# Allegro board PCIE_FIBER_BOARD-1116.brd (continued)
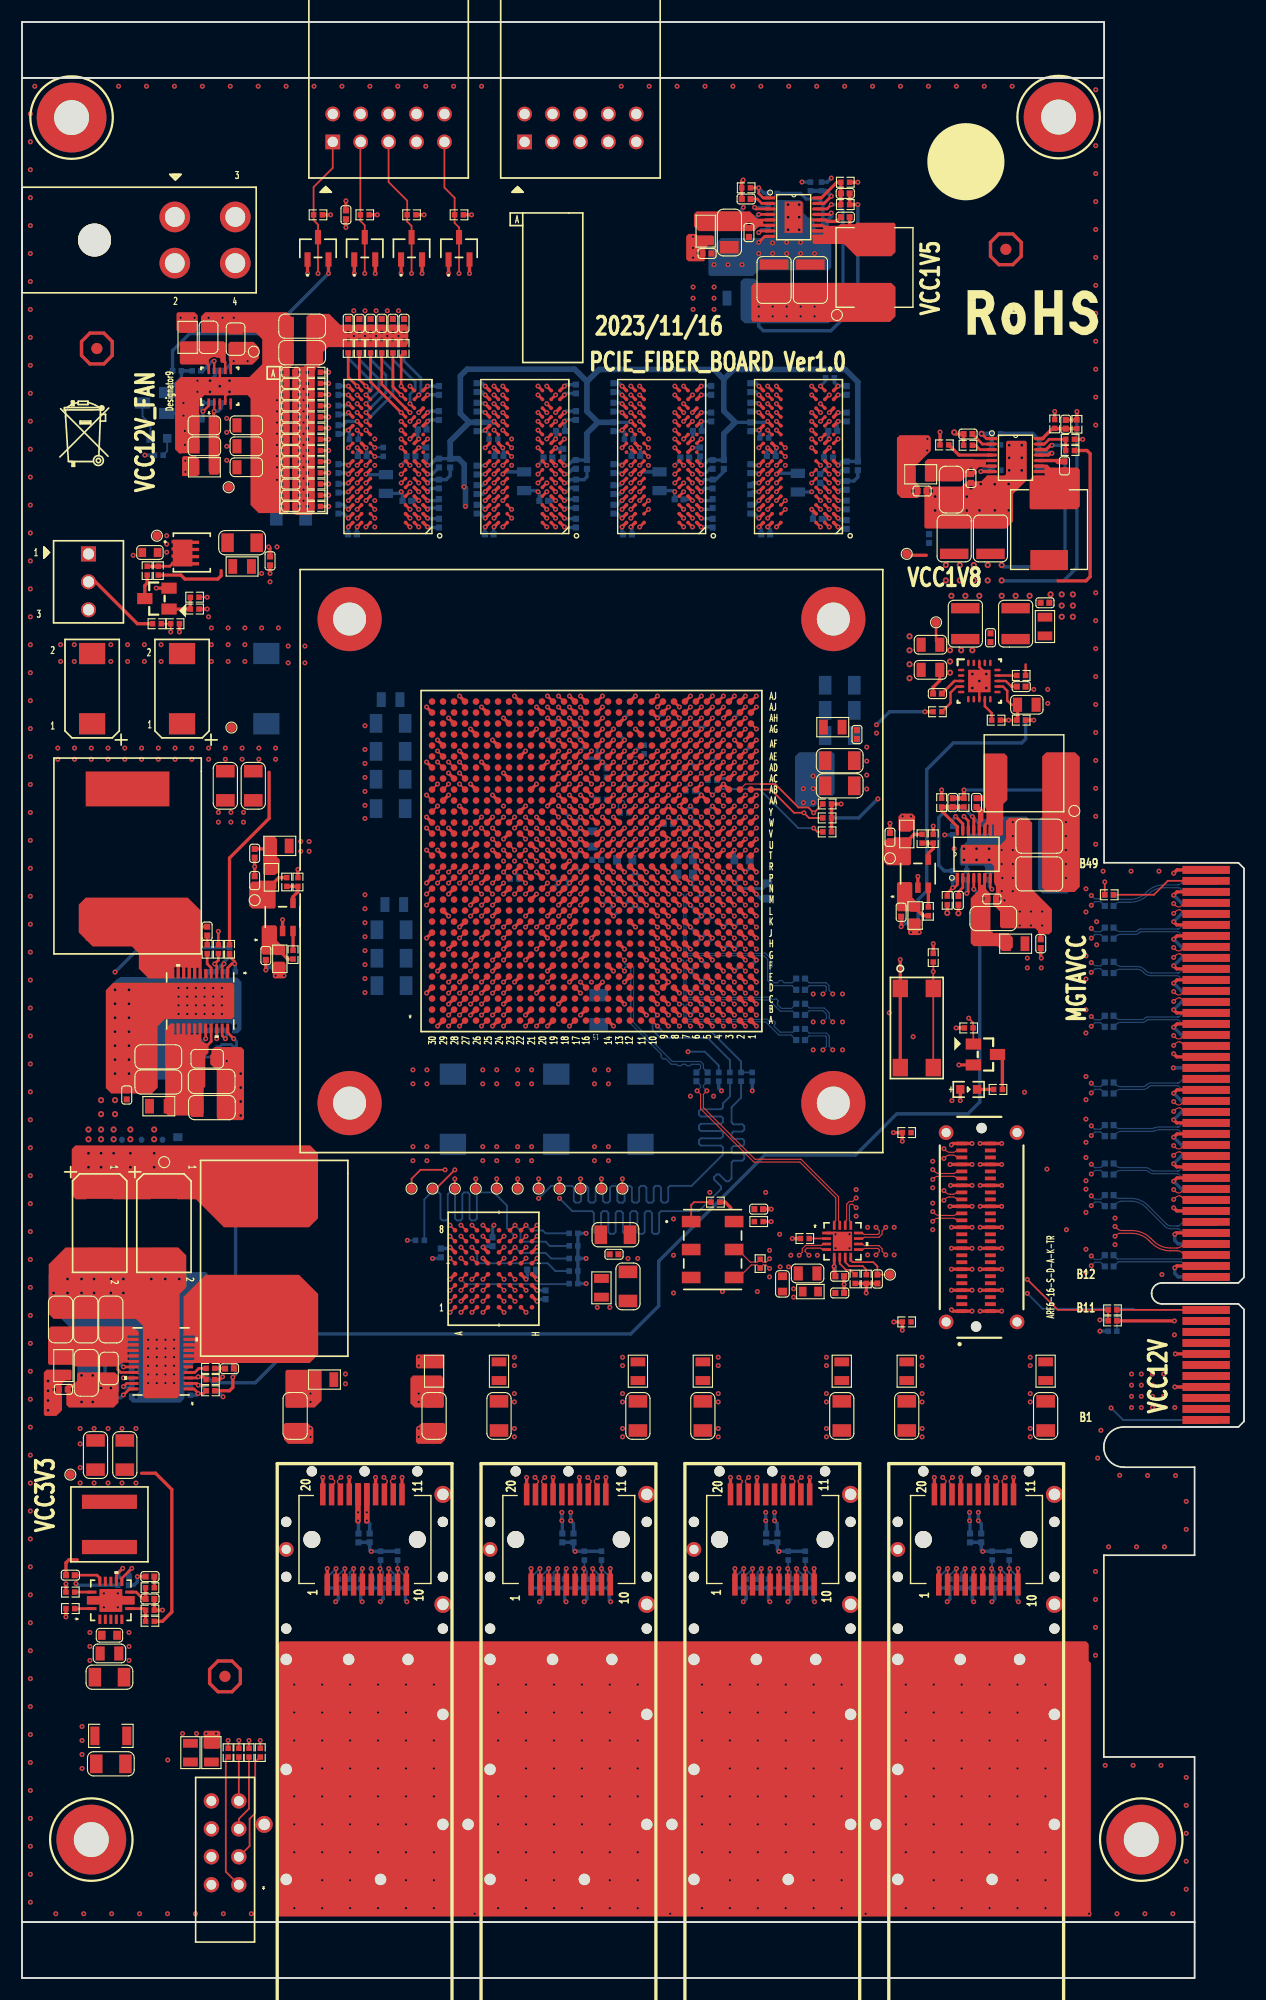
[diagram p0: board, top side]
## Placement (name value [footprint] x y rotation side) (continued)
C619  47nF  [C0402]  41.36 144.56 90 bottom
C620  47nF  [C0402]  43.39 138.34 180 bottom
C621  47nF  [C0402]  48.98 140.63 0 bottom
C622  47nF  [C0402]  50.37 132.25 90 bottom
C623  47nF  [C0402]  41.36 141.01 270 bottom
C624  0.1UF  [C0402]  24.45 142.91 180 bottom
C625  0.1UF  [C0402]  24.45 143.93 180 bottom
C626  0.1UF  [C0402]  24.46 144.95 180 bottom
C627  47UF  [C1206]  25.48 147.74 180 top
C628  4.7UF  [C0402]  24.45 140.88 180 top
C629  4.7UF  [C0402]  24.45 139.86 180 top
C630  0.1UF  [C0402]  24.46 144.95 180 top
C631  0.1UF  [C0402]  24.44 134.8 180 bottom
C632  0.1UF  [C0402]  24.45 142.91 180 top
C633  0.1UF  [C0402]  24.45 141.9 180 top
C636  100UF  [C1206]  33.61 92.7 180 bottom
C638  100UF  [C1206]  33.61 95.29 180 bottom
C639  100UF  [C1206]  33.53 111.5 180 bottom
C640  4.7UF  [C0805]  19.43 148.97 90 top
C991  0.01UF  [C0402]  70.82 90.84 180 bottom
C992  0.01UF  [C0402]  70.82 89.83 180 bottom
C1153  22UF  [C1206]  12.4 83.73 180 top
C1154  22UF  [C1206]  12.4 81.45 180 top
C1155  22UF  [C1206]  17.27 79.12 0 top
C1156  22UF  [C1206]  17.25 81.5 0 top
C1157  4.7UF  [C0805]  16.84 83.56 0 top
C1158  1UF  [C0603]  15.83 85.89 90 bottom
C1159  0.1UF  [C0402]  16.84 95.16 270 top
C1172  47UF  [C1210]  88.09 130.86 90 top
C1173  47UF  [C1210]  88.1 130.85 90 bottom
C1174  47UF  [C1210]  84.79 130.85 90 bottom
C1175  1UF  [C0603]  92.54 137.95 270 bottom
C1176  0.01UF  [C0402]  86.04 140.34 180 top
C1177  0.1UF  [C0402]  86.31 136.31 90 top
C1178  22UF  [C1206]  84.54 135.29 270 top
C1179  0.1UF  [C0402]  94.82 137.45 90 top
C1180  4.7PF  [C0402]  94.93 141.23 90 top
C1182  0.1UF  [C0402]  9.53 80.26 270 top
C1183  0.1UF  [C0402]  81.87 135.17 180 top
C1184  0.1UF  [C0402]  82.5 130.85 90 bottom
C1185  0.1UF  [C0402]  75.95 113.03 270 top
C1186  0.1UF  [C0402]  65.99 154.6 90 bottom
C1187  0.1UF  [C0402]  62.31 156.76 180 top
C1188  0.1UF  [C0402]  66.12 158.66 90 top
C1189  1UF  [C0603]  72.34 159.55 180 bottom
C1190  0.01UF  [C0402]  65.87 161.71 180 top
C1191  0.1UF  [C0402]  74.88 160.06 180 top
C1192  4.7PF  [C0402]  74.88 162.22 0 top
C1193  47UF  [C1210]  68.4 154.35 90 top
C1194  47UF  [C1210]  71.71 154.35 90 top
C1195  47UF  [C1210]  68.41 154.34 90 bottom
C1196  47UF  [C1210]  71.84 154.34 90 bottom
C1197  22UF  [C1206]  64.34 158.66 270 top
C1208  0.1UF  [C0402]  18.87 55.39 180 top
C1211  0.1UF  [C0402]  3.76 53.51 180 top
C1212  22UF  [C1206]  5.8 59.86 90 top
C1213  22UF  [C1206]  5.85 55 270 top
C1214  22UF  [C1206]  3.51 59.86 90 top
C1215  22UF  [C1206]  8.08 59.86 90 top
C1216  4.7UF  [C0805]  7.91 55.41 270 top
C1217  1UF  [C0603]  9.73 56.43 0 bottom
C1218  0.1UF  [C0402]  92.66 94.02 270 top
C1219  0.1UF  [C0402]  88.22 98.08 180 top
C1220  1UF  [C0603]  87.33 104.31 270 bottom
C1221  0.01UF  [C0402]  85.17 97.96 270 top
C1222  0.1UF  [C0402]  86.82 106.85 270 top
C1223  4.7PF  [C0402]  84.66 106.85 90 top
C1224  47UF  [C1210]  92.54 100.37 180 bottom
C1225  47UF  [C1210]  92.54 103.8 180 bottom
C1226  47UF  [C1210]  92.53 100.37 180 top
C1227  47UF  [C1210]  92.53 103.79 180 top
C1228  22UF  [C1206]  88.35 96.3 0 top
C1229  0.1UF  [C0402]  90.89 117.39 180 top
C1230  0.1UF  [C0402]  93.04 125.01 0 top
C1231  0.1UF  [C0402]  88.09 121.83 270 top
C1232  47UF  [C1210]  90.37 123.11 90 top
C1233  47UF  [C1210]  85.8 123.11 90 top
C1234  10UF  [C0805]  82.63 118.91 180 top
C1235  0.1UF  [C0402]  83.27 116.75 180 top
C1237  10UF  [C0805]  82.63 121.2 180 top
C1238  10UF  [C0805]  91.39 115.74 0 top
C2256  0.1UF  [C0402]  90.89 114.34 180 bottom
C2257  1UF  [C0603]  14.18 75.73 90 bottom
C2258  1UF  [C0603]  60.32 100.33 180 bottom
C2259  0.47UF  [C0402_BGA]  61.8 95.04 0 bottom
C2260  0.47UF  [C0402_BGA]  9.1 75.73 90 bottom
C2261  0.47UF  [C0402_BGA]  61.8 91.03 0 bottom
C2262  0.47UF  [C0402_BGA]  10.87 75.73 90 bottom
C2263  47nF  [C0402_BGA]  61.8 92.03 0 bottom
C2264  47nF  [C0402_BGA]  61.8 97.03 0 bottom
C2265  47nF  [C0402_BGA]  61.8 90.03 0 bottom
C2266  47nF  [C0402_BGA]  61.8 99.03 0 bottom
C2267  1UF  [C0603]  60.32 101.64 180 bottom
C2268  0.47UF  [C0402_BGA]  61.3 103.53 90 bottom
C2269  47nF  [C0402_BGA]  60.33 105.52 90 bottom
C2270  1UF  [C0603]  67.82 98.81 270 bottom
C2271  1UF  [C0603]  65.49 101.64 0 bottom
C2272  0.47UF  [C0402_BGA]  62.3 105.53 90 bottom
C2273  0.47UF  [C0402_BGA]  61.8 94.03 180 bottom
C2274  0.47UF  [C0402_BGA]  64.8 96.03 180 bottom
C2275  0.47UF  [C0402_BGA]  61.81 96.05 180 bottom
C2276  47nF  [C0402_BGA]  61.3 105.53 90 bottom
C2277  47nF  [C0402_BGA]  65.84 92.07 0 bottom
C2278  47nF  [C0402_BGA]  64.8 100.03 180 bottom
C2279  47nF  [C0402_BGA]  61.8 98.03 180 bottom
C2434  47UF  [C1210]  84.79 130.85 90 top
C2435  0.01UF  [C0402]  70.82 86.27 180 bottom
C2436  0.01UF  [C0402]  70.82 85.26 180 bottom
C2437  0.01UF  [C0402]  70.82 88.56 180 bottom
C2438  0.01UF  [C0402]  70.82 87.54 180 bottom
C2439  0.1UF  [C0402]  62.36 81.91 270 bottom
C2440  0.1UF  [C0402]  61.34 81.91 270 bottom
C2441  0.1UF  [C0402]  46.35 64.39 0 bottom
C2442  0.1UF  [C0402]  47.62 62.1 270 bottom
C2443  0.1UF  [C0402]  38.1 65.91 270 bottom
C2444  0.1UF  [C0402]  42.8 66.93 90 bottom
C2445  47UF  [C1206]  55.12 62.86 90 top
C2446  0.1UF  [C0402]  53.85 65.79 0 top
C2447  47UF  [C1206]  53.98 67.56 0 top
C2448  22UF  [C1206]  93.1 51.09 270 top
C2449  0.1UF  [C0402]  87.25 40 270 bottom
C2450  22UF  [C1206]  80.47 51.09 270 top
C2451  0.1UF  [C0402]  86.23 40 270 bottom
C2452  22UF  [C1206]  37.48 51.09 270 top
C2453  0.1UF  [C0402]  31.62 40 270 bottom
C2454  22UF  [C1206]  24.85 51.09 270 top
C2455  0.1UF  [C0402]  30.61 40 270 bottom
C2456  22UF  [C1206]  56.02 51.09 270 top
C2457  0.1UF  [C0402]  50.16 40 270 bottom
C2458  22UF  [C1206]  43.39 51.09 270 top
C2459  0.1UF  [C0402]  49.15 40 270 bottom
C2460  22UF  [C1206]  74.56 51.09 270 top
C2461  0.1UF  [C0402]  68.71 40 270 bottom
C2462  22UF  [C1206]  61.93 51.09 270 top
C2463  0.1UF  [C0402]  67.69 40 270 bottom
C2464  0.22UF  [C0402]  98.89 64.68 0 bottom
C2465  0.22UF  [C0402]  98.89 65.7 0 bottom
C2466  0.22UF  [C0402]  98.89 70.16 0 bottom
C2467  0.22UF  [C0402]  98.89 71.16 0 bottom
C2468  0.22UF  [C0402]  98.89 73.03 0 bottom
C2469  0.22UF  [C0402]  98.89 74.03 0 bottom
C2470  0.22UF  [C0402]  98.89 76.53 0 bottom
C2471  0.22UF  [C0402]  98.89 77.53 0 bottom
C2472  0.22UF  [C0402]  98.89 80.4 0 bottom
C2473  0.22UF  [C0402]  98.89 81.4 0 bottom
C2474  0.22UF  [C0402]  98.89 86.46 0 bottom
C2475  0.22UF  [C0402]  98.89 87.46 0 bottom
C2476  0.22UF  [C0402]  98.89 91.35 0 bottom
C2477  0.22UF  [C0402]  98.89 92.37 0 bottom
C2478  0.22UF  [C0402]  98.89 94.48 0 bottom
C2479  0.22UF  [C0402]  98.89 95.48 0 bottom
C2480  0.22UF  [C0402]  98.89 97.45 0 bottom
C2481  0.22UF  [C0402]  98.89 98.46 0 bottom
C2482  0.1UF  [C0402]  67.01 69.89 180 top
C2483  1UF  [C0603]  69.17 63.1 90 top
C2484  10UF  [C0805]  71.45 64.05 180 top
C2485  0.1UF  [C0402]  74.38 63.79 180 top
C2486  0.1UF  [C0402]  74.38 63.79 180 bottom
C2487  0.1UF  [C0402]  74.38 62.27 180 top
C2488  0.1UF  [C0402]  77.8 63.54 90 top
C2489  0.1UF  [C0402]  22.56 128.82 270 top
C2490  10UF  [C1206]  20.02 130.47 0 top
C2491  1UF  [C0603]  11.64 129.58 180 top
C2492  0.1UF  [C0402]  21.16 102.23 270 top
C2493  0.1UF  [C0402]  4.4 36.61 180 top
C2494  22UF  [C1206]  7.95 27.34 180 top
C2495  4.7UF  [C0805]  7.95 29.5 180 top
C2496  1UF  [C0603]  7.96 31.15 180 top
C2497  47UF  [C1206]  9.35 47.54 90 top
C2498  47UF  [C1206]  6.68 47.54 90 top
C2499  0.01UF  [C0402]  9.73 36.11 270 bottom
C2500  8.2nF  [C0402]  11.64 36.49 0 top
C2501  0.01UF  [C0402]  11.64 34.46 0 top
C2502  0.1UF  [C0402]  23.32 91.88 0 bottom
C2503  4.7UF  [C0402]  22.18 92.94 270 top
C2504  4.7UF  [C0402]  21.16 99.75 90 top
C2505  0.1UF  [C0402]  81.11 95.92 0 bottom
C2506  4.7UF  [C0402]  79.96 96.88 270 top
C2507  4.7UF  [C0402]  78.95 103.69 90 top
C2508  1000pF_DNP  [C1206]  8.08 19.47 0 top
CC1  330UF  [C2917X]  14.56 117.2 180 bottom
CC2  330UF  [C2917X]  6.38 117.2 0 top
CC3  330UF  [C2917X]  14.56 117.2 0 top
CC4  330UF  [C2917X]  56.26 78.97 0 bottom
CC5  330UF  [C2917X]  6.38 117.2 180 bottom
CC6  330UF  [C2917X]  39.2 78.97 0 bottom
CC7  330UF  [C2917X]  22.23 117.2 180 bottom
CC8  330UF  [C2917X]  48.59 78.97 0 bottom
CC13  330UF  [C2917X]  7.07 68.62 180 top
CC14  330UF  [C2917X]  12.91 68.62 180 top
D1  -  [H485CGDL]  19.72 8.48 180 top
D2  BAT54SLT1G  [SOT-23]  39.75 157.23 0 top
D3  BAT54SLT1G  [SOT-23]  35.43 157.23 0 top
D4  BAT54SLT1G  [SOT-23]  31.18 157.23 0 top
D5  BAT54SLT1G  [SOT-23]  26.92 157.23 0 top
DS10  SML-LX0603GW-TR  [LED_0603]  86.11 80.77 0 top
DS18  SML-LX0603GW-TR  [LED_0603]  12.45 139.95 180 bottom
J1  JTAG  [SBH11-PBPC-D05-ST-BK]  33.35 168.17 0 top
J2  FPGA_3V3_GPIO  [SBH11-PBPC-D05-ST-BK]  50.79 168.17 0 top
J3  ARF6-16-S-D-A-K-TR  [SAMTEC_ARF6-16-S-D-A-K-TR]  86.78 68.24 90 top
J4  -  [0039301040]  10.4 157.98 270 top
J5  -  [0022112032]  6.05 126.91 270 top
L3  BLM18SG121TN1D  [L0603]  54.82 101.64 180 bottom
L5  BLM18SG121TN1D  [L0603]  51.9 103.54 90 bottom
L34  BLM21SN300SN1D  [L0805]  73.74 113.7 0 top
L85  0.44UH  [PA0513_441NLT]  9.61 101.89 270 top
L86  IHLP2525CZER2R2M01  [IHLP_2525CZ_01]  93.43 131.66 270 top
L89  BLM21SN300SN1D  [L0805]  12.45 79.25 0 top
L90  BLM21SN300SN1D  [L0805]  81.74 136.69 0 top
L91  BLM21SN300SN1D  [L0805]  33.53 116.2 0 bottom
L92  BLM21SN300SN1D  [L0805]  64.98 152.69 180 bottom
L93  BLM21SN300SN1D  [L0805]  62.18 158.79 90 top
L94  IHLP2525CZER2R2M01  [IHLP_2525CZ_01]  77.55 155.49 270 top
L95  BLM21SN300SN1D  [L0805]  16.59 137.33 0 top
L96  BLM21SN300SN1D  [L0805]  15.07 149.14 90 top
L99  0.44UH  [PA0513_441NLT]  22.94 65.32 270 top
L100  BLM21SN300SN1D  [L0805]  3.76 55.66 90 top
L101  BLM21SN300SN1D  [L0805]  90.38 94.02 180 top
L102  IHLP2525CZER2R2M01  [IHLP_2525CZ_01]  91.14 109.51 0 top
L103  BLM21SN300SN1D  [L0805]  93.04 122.85 270 top
L233  BLM21SN300SN1D  [L0805]  33.86 97.57 0 bottom
L234  BLM21SN300SN1D  [L0805]  52.7 62.74 90 top
L235  BLM21SN300SN1D  [L0805]  93.1 55.16 270 top
L236  BLM21SN300SN1D  [L0805]  80.47 55.16 270 top
L237  BLM21SN300SN1D  [L0805]  37.48 55.16 270 top
L238  BLM21SN300SN1D  [L0805]  27.51 54.39 180 top
L239  BLM21SN300SN1D  [L0805]  56.02 55.16 270 top
L240  BLM21SN300SN1D  [L0805]  43.39 55.16 270 top
L241  BLM21SN300SN1D  [L0805]  74.56 55.16 270 top
L242  BLM21SN300SN1D  [L0805]  61.93 55.16 270 top
L243  BLM15PD121SN1D  [L0402]  67.01 68.76 0 top
L244  BLM18SG121TN1D  [L0603]  71.71 62.4 0 top
L245  BLM21SN300SN1D  [L0805]  20.02 128.31 180 top
L246  BLM21SN300SN1D  [L0805]  15.32 20.49 90 top
L247  BLM21SN300SN1D_DNP  [L0805]  17.23 20.49 90 top
L248  BLM21SN300SN1D  [L0805]  23.45 102.91 0 top
L249  XAL6030-332MEC  [XAL6030]  7.95 41.23 90 top
L250  BLM18SG121TN1D  [L0603]  23.45 92.64 90 top
L251  BLM18SG121TN1D  [L0603]  22.69 100.05 90 top
L252  BLM18SG121TN1D  [L0603]  81.23 96.58 90 top
L253  BLM18SG121TN1D  [L0603]  80.47 103.99 90 top
MH1  MH_125_250  [MH_250H125]  6.3 12.58 0 top
MH2  MH_125_250  [MH_250H125]  94.29 169.16 90 top
MH3  MH_125_250  [MH_250H125]  4.51 169.11 180 top
MH4  MH_125_250  [MH_250H125]  101.8 12.58 270 top
NOREF  -  []  0 0 0 top
NOREF#2  -  []  91.73 151.33 0 top
NOREF#3  -  []  0 177.8 0 top
NOREF#4  -  [unnamed#2]  89.49 157.14 0 top
NOREF#5  -  []  0 0 0 top
NOREF#6  -  []  86.36 165.33 0 top
NOREF#7  -  []  0 5.08 90 top
NOREF#8  -  []  0 0 90 top
NOREF#9  -  []  5.67 140.49 0 top
NOREF#10  -  [unnamed#2]  6.81 148.12 0 top
NOREF#11  -  []  -130.32 -115.63 0 top
NOREF#12  -  [unnamed#2]  18.46 27.42 0 top
NOREF#13  -  [unnamed#2]  6.81 148.12 180 bottom
NOREF#14  -  [unnamed#2]  18.46 27.42 180 bottom
NOREF#15  -  [unnamed#2]  89.49 157.14 180 bottom
P1  -  [0744410010_0747370010]  88.24 8.96 90 top
P2  -  [0744410010_0747370010]  32.61 8.96 90 top
P3  -  [0744410010_0747370010]  51.16 8.96 90 top
P4  -  [0744410010_0747370010]  69.7 8.96 90 top
Q10  -  [NDS331N]  12.06 143.17 270 bottom
Q15  -  [NDS331N]  87.63 83.95 270 top
Q16  CSD25402Q3A  [CSD25402]  15.45 129.58 0 top
Q17  -  [NDS331N]  12.27 125.39 90 top
R4  4.7K  [R0402]  66.42 81.91 90 bottom
R8  4.7K  [R0402]  73.49 145.45 0 bottom
R41  4.7K  [R0402]  82.88 92.75 90 top
R42  4.7K  [R0402]  63.37 81.91 90 bottom
R87  249  [R0402]  12.45 138.43 0 bottom
R159  80.6  [R0402]  53.17 109.54 90 bottom
R160  80.6  [R0402]  52.79 107.13 0 bottom
R161  80.6  [R0402]  56.6 111.67 90 bottom
R162  80.6  [R0402]  54.79 105.91 180 bottom
R163  80.6  [R0402]  62.8 108.88 180 bottom
R164  80.6  [R0402]  60.79 107.91 0 bottom
R165  100  [R0402]  58.8 104.89 180 bottom
R219  10K  [R0402]  15.96 141.64 180 bottom
R220  10K  [R0402]  14.1 146.09 0 bottom
R221  10K  [R0402]  17.73 143.17 180 bottom
R337  1K  [R0402]  73.23 104.18 180 top
R338  1K_DNP  [R0402]  73.23 106.72 180 top
R339  1K  [R0402]  73.23 105.45 180 top
R340  1K_DNP  [R0402]  73.23 105.45 0 bottom
R341  1K  [R0402]  73.23 106.72 0 bottom
R342  1K_DNP  [R0402]  73.23 104.18 0 bottom
R395  330  [R0402]  86.11 86.36 0 top
R396  330  [R0402]  88.77 80.77 180 top
R455  10K  [R0402]  31.18 160.27 180 top
R456  10K  [R0402]  26.92 160.27 180 top
R458  240  [R0402]  55.2 139.87 180 bottom
R459  0  [R0402]  15.88 146.09 180 bottom
R460  40.2  [R0402]  31.7 148.12 270 top
R461  40.2  [R0402]  30.69 148.12 270 bottom
R462  40.2  [R0402]  32.72 148.12 270 top
R463  40.2  [R0402]  26.75 140.88 0 top
R464  40.2  [R0402]  26.75 144.95 0 top
R465  40.2  [R0402]  33.74 148.12 270 bottom
R466  40.2  [R0402]  26.75 145.96 0 top
R467  40.2  [R0402]  34.75 148.12 270 bottom
R468  40.2  [R0402]  29.67 148.12 270 top
R469  40.2  [R0402]  33.74 148.12 270 top
R470  40.2  [R0402]  26.75 139.87 0 top
R471  40.2  [R0402]  29.67 148.12 270 bottom
R472  40.2  [R0402]  31.7 148.12 270 bottom
R473  40.2  [R0402]  34.75 148.12 270 top
R474  40.2  [R0402]  30.69 148.12 270 top
R475  40.2  [R0402]  32.72 148.12 270 bottom
R476  40.2  [R0402]  26.75 141.9 0 top
R477  40.2  [R0402]  26.75 143.93 0 top
R478  40.2  [R0402]  26.75 142.91 0 top
R479  40.2  [R0402]  26.75 135.8 0 top
R480  40.2  [R0402]  26.75 138.85 0 top
R481  40.2  [R0402]  26.75 136.82 0 top
R482  40.2  [R0402]  26.75 134.79 0 top
R483  40.2  [R0402]  26.75 137.83 0 top
R484  40.2  [R0402]  26.75 133.77 0 top
R488  80.6  [R0402]  32.85 138.72 90 bottom
R490  240  [R0402]  67.52 139.99 180 bottom
R492  240  [R0402]  30.18 139.87 180 bottom
R494  240  [R0402]  42.88 139.87 180 bottom
R1041  100K  [R0402]  17.86 93.51 270 top
R1042  187K_DNP  [R0402]  19.38 84.11 90 bottom
R1043  110K  [R0402]  19 86.14 180 bottom
R1044  100K  [R0402]  17.35 86.14 0 bottom
R1045  44.2K  [R0402]  18.88 93.26 270 bottom
R1046  15K  [R0402]  19 91.48 0 bottom
R1047  10K  [R0402]  18.88 93.51 90 top
R1048  10K  [R0402]  17.23 91.48 180 bottom
R1049  2  [R0402]  16.84 93.51 90 top
R1050  124K_DNP  [R0402]  17.86 84.11 90 bottom
R1057  1M  [R0402]  95.95 141.23 90 top
R1058  10K  [R0402]  95.33 138.85 180 top
R1059  0  [R0402]  83.9 139.36 0 top
R1060  0  [R0402]  95.33 139.87 180 top
R1061  0_DNP  [R0402]  88.6 140.37 0 bottom
R1064  0  [R0402]  88.6 139.36 180 bottom
R1065  52.3K  [R0402]  86.04 139.33 180 top
R1066  0_DNP  [R0402]  88.63 137.06 180 bottom
R1067  0  [R0402]  65.87 160.06 0 bottom
R1068  52.3K  [R0402]  68.28 160.95 0 bottom
R1069  0_DNP  [R0402]  68.28 158.92 180 bottom
R1070  0  [R0402]  65.87 162.73 0 top
R1071  0_DNP  [R0402]  68.28 162.22 0 bottom
R1072  1M  [R0402]  74.88 161.2 0 top
R1073  1.13M  [R0402]  74.88 163.23 0 top
R1074  10K  [R0402]  72.72 162.85 270 bottom
R1075  0  [R0402]  71.71 162.85 270 bottom
R1089  806K  [R0402]  93.93 141.26 90 top
R1091  100K  [R0402]  17.14 54.39 180 top
R1092  187K_DNP  [R0402]  7.95 52.87 0 bottom
R1093  110K  [R0402]  9.99 53.25 90 bottom
R1094  100K  [R0402]  9.99 54.9 270 bottom
R1095  15K  [R0402]  15.32 53.38 270 bottom
R1098  2  [R0402]  17.14 55.41 0 top
R1099  124K_DNP  [R0402]  7.95 54.39 0 bottom
R1100  10K  [R0402]  17.14 53.38 0 top
R1101  0  [R0402]  17.17 53.38 0 bottom
R1102  0  [R0402]  86.82 97.83 90 bottom
R1103  52.3K  [R0402]  85.93 100.24 90 bottom
R1104  0_DNP  [R0402]  87.96 100.24 270 bottom
R1105  0  [R0402]  84.15 97.96 90 top
R1106  0_DNP  [R0402]  84.66 100.24 90 bottom
R1107  1M  [R0402]  85.68 106.85 90 top
R1108  1.13M  [R0402]  83.65 106.85 90 top
R1109  10K  [R0402]  84.66 104.31 90 bottom
R1111  0  [R0402]  88.6 114.34 180 top
R1112  10K  [R0402]  83.27 115.1 0 top
R1114  0  [R0402]  90.89 118.4 0 top
R1115  0  [R0402]  90.89 114.34 180 top
R1150  0  [R0402]  64.39 81.91 270 bottom
R1151  0  [R0402]  65.41 81.91 270 bottom
R1152  4.7K  [R0402]  50.16 63.12 180 bottom
R1153  4.7K  [R0402]  50.16 66.55 180 bottom
R1154  4.7K  [R0402]  50.16 65.41 180 bottom
R1155  4.7K  [R0402]  50.16 64.26 180 bottom
R1156  4.7K  [R0402]  50.16 67.69 180 bottom
R1157  0_DNP  [R0402]  36.2 67.06 0 bottom
R1159  4.7K  [R0402]  86.44 35.85 90 bottom
R1160  4.7K  [R0402]  85.42 35.85 90 bottom
R1161  4.7K  [R0402]  83.39 35.85 90 bottom
R1162  4.7K_DNP  [R0402]  84.41 35.85 90 bottom
R1163  4.7K  [R0402]  87.45 35.85 90 bottom
R1164  4.7K  [R0402]  88.47 35.85 90 bottom
R1165  4.7K  [R0402]  90.5 35.85 90 bottom
R1166  4.7K  [R0402]  89.49 35.85 90 bottom
R1167  4.7K_DNP  [R0402]  88.24 38.39 90 bottom
R1168  4.7K_DNP  [R0402]  89.79 38.39 90 bottom
R1169  4.7K  [R0402]  30.81 35.85 90 bottom
R1170  4.7K  [R0402]  29.8 35.85 90 bottom
R1171  4.7K  [R0402]  27.77 35.85 90 bottom
R1172  4.7K_DNP  [R0402]  28.78 35.85 90 bottom
R1173  4.7K  [R0402]  31.83 35.85 90 bottom
R1174  4.7K  [R0402]  32.85 35.85 90 bottom
R1175  4.7K  [R0402]  34.88 35.85 90 bottom
R1176  4.7K  [R0402]  33.86 35.85 90 bottom
R1177  4.7K_DNP  [R0402]  32.61 38.39 90 bottom
R1178  4.7K_DNP  [R0402]  34.17 38.39 90 bottom
R1179  4.7K  [R0402]  51.39 35.85 90 bottom
R1180  4.7K  [R0402]  49.36 35.85 90 bottom
R1181  4.7K  [R0402]  48.34 35.85 90 bottom
R1182  4.7K  [R0402]  46.31 35.85 90 bottom
R1183  4.7K_DNP  [R0402]  47.32 35.85 90 bottom
R1184  4.7K  [R0402]  50.37 35.85 90 bottom
R1185  4.7K  [R0402]  53.42 35.85 90 bottom
R1186  4.7K  [R0402]  52.4 35.85 90 bottom
R1187  4.7K_DNP  [R0402]  51.16 38.39 90 bottom
R1188  4.7K_DNP  [R0402]  52.71 38.39 90 bottom
R1189  4.7K  [R0402]  67.9 35.85 90 bottom
R1190  4.7K  [R0402]  66.88 35.85 90 bottom
R1191  4.7K  [R0402]  64.85 35.85 90 bottom
R1192  4.7K_DNP  [R0402]  65.87 35.85 90 bottom
R1193  4.7K  [R0402]  68.91 35.85 90 bottom
R1194  4.7K  [R0402]  69.93 35.85 90 bottom
R1195  4.7K  [R0402]  71.96 35.85 90 bottom
R1196  4.7K  [R0402]  70.95 35.85 90 bottom
R1197  4.7K_DNP  [R0402]  69.7 38.39 90 bottom
R1198  4.7K_DNP  [R0402]  71.25 38.39 90 bottom
R1199  4.7K_DNP  [R0402]  99.19 59.73 180 top
R1200  0_DNP  [R0402]  99.19 60.73 0 top
R1201  0  [R0402]  98.89 98.46 180 top
R1202  0  [R0402]  80.47 59.64 0 top
R1203  0  [R0402]  80.47 76.85 0 top
R1204  4.7K  [R0402]  63.07 70.52 0 top
R1205  100  [R0402]  67.14 64.94 270 top
R1206  10K  [R0402]  71.2 67.22 0 top
R1207  1K  [R0402]  75.77 63.54 270 top
R1208  1K  [R0402]  76.79 63.54 270 top
R1209  100K  [R0402]  12.4 127.93 90 top
R1210  1K  [R0402]  13.92 123.1 180 top
R1211  0  [R0402]  12.27 123.1 0 top
R1212  0  [R0402]  15.7 125.51 0 top
R1213  100K  [R0402]  15.7 124.44 0 top
R1214  1K  [R0402]  44.81 99.9 0 bottom
R1215  0  [R0402]  99.19 60.83 0 bottom
R1216  499  [R0402]  19.72 20.49 90 top
R1217  499  [R0402]  20.65 20.49 90 top
R1218  499  [R0402]  21.67 20.49 90 top
R1219  499  [R0402]  18.75 20.49 90 top
R1220  0  [R0402]  8.72 36.11 90 bottom
R1221  47K  [R0402]  11.64 32.42 180 top
R1222  10K  [R0402]  4.4 35.08 0 top
R1223  15K  [R0402]  11.64 33.44 0 top
R1224  100K  [R0402]  4.4 33.58 180 top
R1225  1K69  [R0402]  11.64 35.47 180 top
R1226  10K  [R0402]  11.38 127.93 270 top
R1227  4.7K  [R0402]  24.65 93.02 90 top
R1228  40.2K  [R0402]  24.08 99.63 270 top
R1229  39K  [R0402]  25.1 99.63 90 top
R1230  4.7K  [R0402]  82.44 96.96 90 top
R1231  18.2K  [R0402]  81.87 103.56 270 top
R1232  40.2K  [R0402]  82.88 103.56 90 top
R1233  10K  [R0402]  39.75 160.27 180 top
R1234  10K  [R0402]  35.43 160.27 180 top
R1235  5m_DNP  [R1206]  8.08 22.01 0 top
R1236  10K_DNP  [R0402]  99.19 58.8 0 bottom
R1237  10K_DNP  [R0402]  99.19 59.82 180 bottom
SW8  TL3305AF160QG_DNP  [TL3305AF160QG]  81.38 86.35 270 top
TP41  TP  [TP0_8]  19.05 113.66 0 top
TP43  TP  [TP0_8]  80.47 129.45 0 top
TP44  TP  [TP0_8]  74.12 151.17 0 top
TP47  TP  [TP0_8]  12.93 74.16 0 top
TP48  TP  [TP0_8]  18.8 135.51 90 top
TP49  TP  [TP0_8]  21.08 147.83 90 top
TP50  TP  [TP0_8]  95.71 106.08 90 top
TP52  TP  [TP0_8]  83.14 123.23 90 top
TP54  TP  [TP0_8]  78.95 63.94 180 top
TP55  TP  [TP0_8]  12.27 131.1 0 top
TP56  TP  [TP0_8]  39.37 71.75 0 top
TP57  TP  [TP0_8]  46.99 71.75 0 top
TP58  TP  [TP0_8]  41.27 71.75 90 top
TP59  TP  [TP0_8]  45.09 71.75 90 top
TP60  TP  [TP0_8]  35.43 71.75 0 top
TP61  TP  [TP0_8]  37.34 71.75 270 top
TP62  TP  [TP0_8]  54.61 71.75 180 top
TP63  TP  [TP0_8]  50.8 71.75 0 top
TP64  TP  [TP0_8]  52.7 71.75 0 top
TP65  TP  [TP0_8]  48.9 71.75 0 top
TP66  TP  [TP0_8]  43.18 71.75 0 top
TP67  TP  [TP0_8]  4.4 45.76 90 top
TP68  TP  [TP0_8]  21.16 97.97 180 top
TP69  TP  [TP0_8]  78.95 101.78 180 top
U23  -  [TPS51200DRC]  17.99 144.69 90 top
U75  MT41K512M16VRP-107 IT:P  [MT41K512M16VRP]  58.18 138.3 180 top
U76  MT41K512M16VRP-107 IT:P  [MT41K512M16VRP]  70.63 138.3 180 top
U77  MT41K512M16VRP-107 IT:P  [MT41K512M16VRP]  33.29 138.3 180 top
U78  MT41K512M16VRP-107 IT:P  [MT41K512M16VRP]  45.73 138.3 180 top
U113  -  [TPS53353DQP]  16.21 88.81 270 top
U115  LT8610ACEMSE  [LT8610AC]  90.36 138.18 270 top
U116  LT8610ACEMSE  [LT8610AC]  70.18 160.06 270 top
U118  -  [TPS53353DQP]  12.65 56.05 180 top
U119  LT8610ACEMSE  [LT8610AC]  86.82 102.15 0 top
U120  -  [TPS7A8500ARGR]  87.08 117.89 0 top
U247  -  [XC7K325T-2FFG900I]  51.8 101.53 180 top
U248  PC28F512P30TFA  [PC28F512P30TFA_BGA64]  42.89 64.47 90 top
U249  PCIE_BLANE_EDGE  [PCIE_8LANE_EDGE]  107.66 50.73 90 top
U250  DSC1123NI1-100.0000T  [DSC1123NI1]  62.82 66.22 0 top
U251  -  [LMK1D1204RGT]  74.63 66.97 0 top
U252  TPS54620RHLR  [TPS54620_RHL14]  8.08 34.33 90 top
U253  SPX3819M5-L/TR  [ADP150AUJZ]  23.7 96.45 90 top
U254  SPX3819M5-L/TR  [ADP150AUJZ]  81.49 100.39 90 top
U255  -  [ATS-61500W-C2-R0]  51.8 101.53 0 top
